# Altium PCB FOC_Controller.PcbDoc (part 1 of 2) (continued)
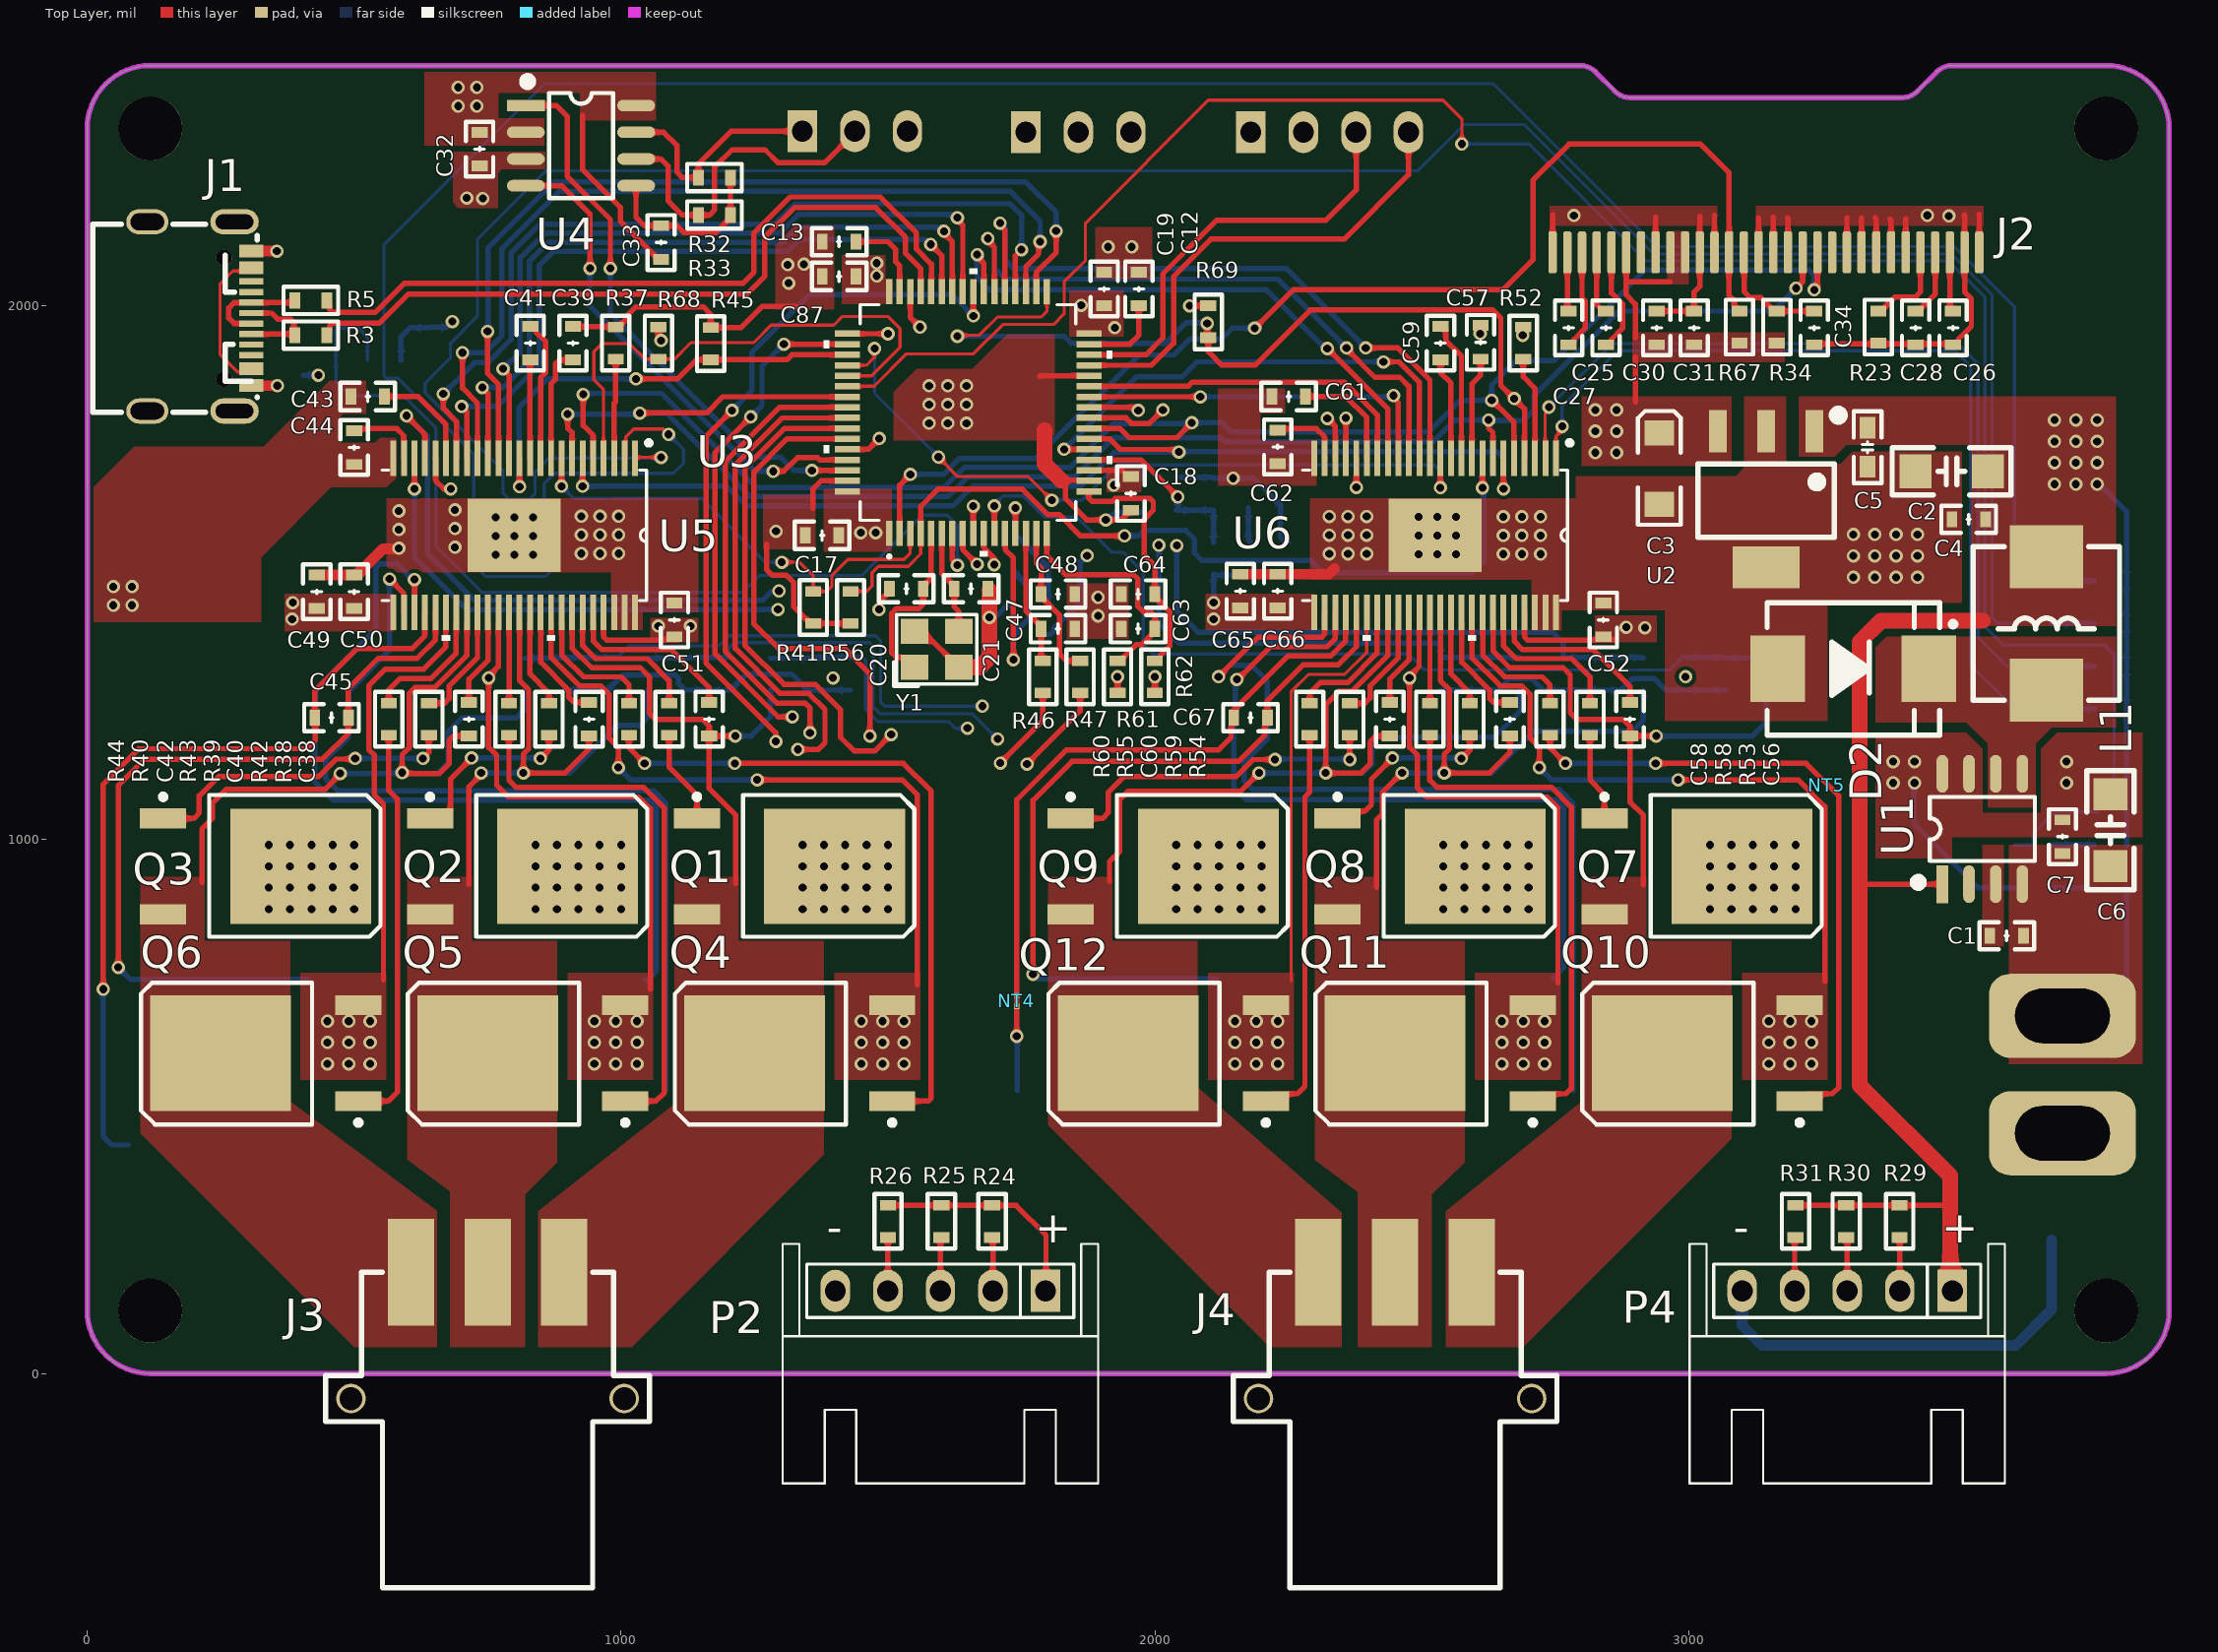
[diagram p0: Top Layer view]
## Footprints (in the part's own frame and the unit in brackets; to place one, negate y for a bottom-side part, rotate by r counter-clockwise, add the part's x,y. Pads: shape width x height; smd on the part's side, far side on the other; paste and mask are expansions set on the pad) (continued)
  rect 12x47 smd paste+0 mask+3.15: 17(-147.64,-226.38) 18(-127.95,-226.38) 19(-108.27,-226.38) 20(-88.58,-226.38) 21(-68.9,-226.38) 22(-49.21,-226.38) 23(-29.53,-226.38) 24(-9.84,-226.38) 25(9.84,-226.38) 26(29.53,-226.38) 27(49.21,-226.38) 28(68.9,-226.38) 29(88.58,-226.38) 30(108.27,-226.38) 31(127.95,-226.38) 32(147.64,-226.38) 49(147.64,226.38) 50(127.95,226.38) 51(108.27,226.38) 52(88.58,226.38) 53(68.9,226.38) 54(49.21,226.38) 55(29.53,226.38) 56(9.84,226.38) 57(-9.84,226.38) 58(-29.53,226.38) 59(-49.21,226.38) 60(-68.9,226.38) 61(-88.58,226.38) 62(-108.27,226.38) 63(-127.95,226.38) 64(-147.64,226.38)
  silkscreen extent -273,-270 270,270, body extent -236,-236 236,236, height 63
LUHEQIU_LOGO_BLAY_512 [mil] "512x512"
  silkscreen extent -217,-139 201,147
LUHEQIU_WEB_10mm_TOP [mil]
  silkscreen extent -198,-197 182,182
MR30PW-M [mm]
  rect 2.2x5.08 smd: 1(3.65,1) 2(0,1) 3(-3.65,1)
  round 1.4 hole 1.1: ""(-6.5,-5) ""(6.5,-5)
  silkscreen extent -7.7,-14 7.7,1
"Net Tie" [mil]
  rect 10x10 smd mask+0: 1(-10,0) 2(10,0)
  Top Layer lines w10: 10,0 -10,0
"Net Tie 40mil" [mil]
  rect 20x20 on Mid2 mask+0: 1(-20,0) 2(20,0)
  Int1 (GND) lines w20: 20,0 -20,0
"OLED 0.96'' 128x64" [mm]
  rrect50% 0.4x2 smd: 1(-10.054,0) 2(-9.354,0) 3(-8.654,0) 4(-7.954,0) 5(-7.254,0) 6(-6.554,0) 7(-5.854,0) 8(-5.154,0) 9(-4.454,0) 10(-3.754,0) 11(-3.054,0) 12(-2.354,0) 13(-1.654,0) 14(-0.954,0) 15(-0.254,0) 16(0.446,0) 17(1.146,0) 18(1.846,0) 19(2.546,0) 20(3.246,0) 21(3.946,0) 22(4.646,0) 23(5.346,0) 24(6.046,0) 25(6.746,0) 26(7.446,0) 27(8.146,0) 28(8.846,0) 29(9.546,0) 30(10.246,0)
"OSC 3225-4P" [mm] "3.2*2.5*0.7mm(长宽高)"
  rect 1.3x1.2 smd: 1(-1.05,-0.85) 2(1.05,-0.85) 3(1.05,0.85) 4(-1.05,0.85)
  silkscreen extent -2.03,-1.75 1.91,1.65, body extent -1.6,-1.25 1.6,1.25, height 0.7
"R 0603_L" [mil] "1/10W贴片电阻"
  rect 20x30 smd: 1(-30,0) 2(30,0)
  silkscreen extent -51,-26 51,26, body extent -31,-16 31,16, height 16
"R 2512_M" [mm] "1W贴片电阻"
  rect 2.032x3.2 smd: 1(-3.2,0) 2(3.2,0)
  silkscreen extent -4.57,-2.03 4.57,2.03, body extent -3.2,-1.6 3.2,1.6, height 0.55
SIPA03 [mm]
  rect 1.4x2 hole 1: 1(0,0)
  oval 1.4x2 hole 1: 2(2.5,0) 3(5,0)
  silkscreen extent -2.46,-2.2 7.46,3.5, body extent -2.5,-2.25 7.5,3.45, height 7
SIPA04 [mm]
  rect 1.4x2 hole 1: 1(0,0)
  oval 1.4x2 hole 1: 2(2.5,0) 3(5,0) 4(7.5,0)
  silkscreen extent -2.48,-2.2 9.98,3.5, body extent -2.5,-2.25 10,3.45, height 7
SIPB05 [mm] "@sucaita.com 素材塔"
  rect 1.4x2 hole 1: 1(-5,0)
  oval 1.4x2 hole 1: 2(-2.5,0) 3(0,0) 4(2.5,0) 5(5,0)
  silkscreen extent -7.5,-2.24 7.5,9.17, body extent -7.45,-2.29 7.45,9.22, height 5.77
SMC [mm] "7.1x5.9*2.3mm（长宽高，不包括引脚）"
  rect 2.6x3.15 smd: 1(-3.6,0) 2(3.6,0)
  silkscreen extent -4.1,-3.15 4.88,3.15, body extent -3.95,-2.9 3.95,2.9, height 2.45
SOP8_N [mm] "5*6*1.8mm（长宽高）"
  rect 1.8x0.55 smd: 1(-2.625,1.905)
  oval 1.8x0.55 smd: 2(-2.625,0.635) 3(-2.625,-0.635) 4(-2.625,-1.905) 5(2.625,-1.905) 6(2.625,-0.635) 7(2.625,0.635) 8(2.625,1.905)
  silkscreen extent -2.69,-2.5 1.52,3.2, body extent -3,-2.5 3,2.5, height 1.9
SOT223_N [mm] "6.4x7x1.6mm(长宽高)                    @sucaita.com 素材塔"
  rect 0.85x2 smd: 1(-2.3,-3.302) 2(0,-3.302) 3(2.3,-3.302)
  rect 3.2x2 smd: 2(0,3.175)
  silkscreen extent -3.63,-4.26 3.25,1.75, body extent -3.25,-3.51 3.25,3.51, height 1.65
"TO252 - 3" [mm] "D-PAK  / SOT-428"
  rect 2.2x0.95 smd: 1(-4.4,2.28) 3(-4.4,-2.28)
  rect 6.7x5.5 smd: 2(2.15,0)
  silkscreen extent -4.52,-3.35 5.94,3.43, body extent -4.47,-3.3 4.78,3.3, height 2.31
"TSW SMD-6*6*5" [mm] "6*6*5mm"
  rect 2.7x1 smd: 1(-4.4,2.261)
  oval 2.7x1 smd: 2(-4.4,-2.239) 3(4.4,-2.239) 4(4.4,2.261)
  silkscreen extent -2.79,-2.79 2.79,2.79, body extent -4.5,-3 4.5,3, height 4.95
USB-C-SMD_TYPE-C-USB-5 [mm] "@sucaita.com 素材塔"
  oval 1.2x2.3 hole 0.7 slot 1.8 at 90 deg: 0(-4.5,1.675) 0(4.5,1.675)
  oval 1.2x2 hole 0.8 slot 1.6 at 90 deg: 0(-4.5,-2.475) 0(4.5,-2.475)
  rect 0.3x1.15 smd: A1(-3.263,2.473) A4(-2.462,2.471) A5(-1.162,2.475) A6(-0.162,2.475) A7(0.337,2.473) A9(2.638,2.475) A12(3.438,2.475) B1(3.138,2.475) B4(2.337,2.475) B5(1.838,2.475) B6(0.838,2.475) B7(-0.663,2.473) B9(-2.162,2.471) B12(-2.963,2.473)
  rect 0.3x1.148 smd: A8(-1.663,2.475) B8(1.337,2.475)
  round 0.75 hole 0.75 unplated: ""(-2.803,1.175) ""(2.978,1.175)
  silkscreen extent -4.38,-5.08 4.56,2.75, body extent -4.34,-5.14 4.6,2.76, height 3.25

## Part data
C1 C4 C5 C7 C8 C9 C10 C11 C12 C13 C14 C15 C16 C17 C18 C19 C20 C21 C22 C23 C24 C25 C26 C27 C28 C29 C30 C31 C32 C33 C34 C38 C39 C40 C41 C42 C43 C44 C45 C46 C47 C48 C49 C50 C51 C52 C56 C57 C58 C59 C60 C61 C62 C63 C64 C65 C66 C67 C68 C69 C70 C71 C72 C73 C74 C75 C76 C77 C78 C79 C80 C81 C82 C83 C84 C85 C86 C87: "Capacitor", LatestRevisionDate=17-Jul-2002, LatestRevisionNote="Re-released for DXP Platform.", PackageDescription="Radial Cap, Thru-Hole; 2 Leads; 0.3 in Pin Spacing", PackageReference=RAD-0.3, Published=8-Jun-2000, Publisher="Altium Limited"
C2 C3 C6: "Polarized Capacitor (Radial)", LatestRevisionDate=17-Jul-2002, LatestRevisionNote="Re-released for DXP Platform.", PackageDescription="Polarized Capacitor (Radial); 2 Leads", PackageReference=RB7.6-15, Published=8-Jun-2000, Publisher="Altium Limited"
D1 D3 D4 D5 D6 D7: library part LED2, "Typical RED, GREEN, YELLOW, AMBER GaAs LED", LatestRevisionDate=17-Jul-2002, LatestRevisionNote="Re-released for DXP Platform.", PackageDescription="SM LED; 2 Flat Leads", PackageReference=3.2X1.6X1.1, PackageVersion=Feb-2002, Published=8-Jun-2000, Publisher="Altium Limited"
D2: library part "Diode BAS70", "Silicon AF Schottky Diode for High-Speed Switching", ComponentLink1Description="Manufacturer Link", ComponentLink1URL=http://www.infineon.com/, ComponentLink2Description=Datasheet, ComponentLink2URL=http://www.infineon.com/upload/Document/cmc_upload/documents/009/382/bas40_bas140series_1.pdf, DatasheetVersion=Oct-1999, LatestRevisionDate=29-May-2009, LatestRevisionNote="IPC-7351 Footprint Added.", Note="Pin 2 is not connected and not drawn.", PackageDescription="3-Pin SOT-23 Package 0.95 mm Pitch, 2.5 mm Lead Span", PackageReference=SOT-23, PackageVersion=Sep-2001, Published=21-Mar-2003, Publisher="Altium Limited"
J1: library part USB-C/S, "USB-C型母接口", BOM名称=USB-
J2: library part "Header 30", "Header, 30-Pin", LatestRevisionDate=17-Jul-2002, LatestRevisionNote="Re-released for DXP Platform.", Publisher="Altium Limited"
P1: library part "Header 4", "Header, 4-Pin", LatestRevisionDate=17-Jul-2002, LatestRevisionNote="Re-released for DXP Platform.", Publisher="Altium Limited"
P2 P4: library part "Header 5", "Header, 5-Pin", LatestRevisionDate=17-Jul-2002, LatestRevisionNote="Re-released for DXP Platform.", Publisher="Altium Limited"
P3 P5: library part "Header 3", "Header, 3-Pin", LatestRevisionDate=17-Jul-2002, LatestRevisionNote="Re-released for DXP Platform.", Publisher="Altium Limited"
Q1 Q2 Q3 Q4 Q5 Q6 Q7 Q8 Q9 Q10 Q11 Q12: library part N-MOSFET
R1 R2 R3 R4 R5 R6 R7 R8 R9 R10 R11 R12 R13 R14 R15 R16 R19 R20 R21 R22 R23 R24 R25 R26 R27 R28 R29 R30 R31 R32 R33 R34 R35 R36 R37 R38 R39 R40 R41 R42 R43 R44 R45 R46 R47 R48 R49 R50 R51 R52 R53 R54 R55 R56 R57 R58 R59 R60 R61 R62 R63 R64 R65 R66 R67 R68 R69: "Resistor", LatestRevisionDate=17-Jul-2002, LatestRevisionNote="Re-released for DXP Platform.", PackageDescription="Axial Device, Thru-Hole; 2 Leads; 0.4 in Pin Spacing", PackageReference=AXIAL-0.4, Published=8-Jun-2000, Publisher="Altium Limited"
S1: "Switch", LatestRevisionDate=17-Jul-2002, LatestRevisionNote="Re-released for DXP Platform.", PackageDescription="Switch; 2 Leads", PackageReference=SPST-2, Published=24-Mar-1999, Publisher="Altium Limited"
U1: "5V/2.1A DC-DC Buck电源芯片(<50V)"
U2: library part "Volt Reg", "Voltage Regulator", LatestRevisionDate=29-May-2009, LatestRevisionNote="IPC-7351 Footprint Added.", PackageDescription="3-Pin Transistor Outline Package 2.54 mm Pitch, 15.1 mm Lead Span", PackageReference=D2PAK, Published=24-Mar-1999, Publisher="Altium Limited"
U3: "No Description Available", Mfr_Name=STMicroelectronics, Copyright="Copyright (C) 2021 Ultra Librarian. All rights reserved.", Manufacturer_Part_Number=STM32F405RGT6, RefDes=RefDes, Type=DEV
U4: "CAN收发器"
U5 U6: "THREE PHASE PRE-DRIVER WITH DUAL CURRENT SHUNT AMPLIFIERS, DCA0048A"
Y1: library part XTAL, "Crystal Oscillator", LatestRevisionDate=17-Jul-2002, LatestRevisionNote="Re-released for DXP Platform.", PackageDescription="Crystal, Thru-Hole; 2 Leads; Body 3.1 x 8.2 mm (Dia.xH)", PackageReference=R38, Published=8-Jun-2000, Publisher="Altium Limited"
L1: Code_IEC=1005, Code_JEITA=0402, LatestRevisionDate=29-May-2009, LatestRevisionNote="IPC-7351 Footprint Added.", PackageDescription="Chip Inductor", PackageReference=0402-A, Published=8-Jun-2000, Publisher="Altium Limited"

## Free pads (board coordinates)
  round 120.08 hole 120.08 mask+0: 0(118.11,118.11) 0(118.11,2331.89) 0(3781.89,118.11) 0(3781.89,2331.89)
  rrect50% 275.59x157.48 hole 102.36 slot 177.17 at 0 deg: 2(3700,670) 3(3700,450)

## Via types
v1: diameter 25, hole 15, Top Layer to Bottom Layer, tented both sides, 227 vias
v2: diameter 25, hole 15, Top Layer to Bottom Layer, 227 vias

## Nets (pads, with @x,y where several pads share a name; then routed paths per layer and width w, separated by ;. In a path a pad name is that pad's centre, name@x,y a point inside that pad or via, vN(x,y) a via of type N, cw(c..) or ccw(c..) an arc to the next point about the centre after c; other vN are vias at no path point)
+3V3: C3.1 C17.2 C18.2 C19.2 C30.2 C31.2 C87.2 J2.6 J2.9 J2.10 R10.1 R34.2 R67.1 R68.2 R69.2 U2.3 U3.1 U3.19 U3.32 U3.48 U3.64 U5.20 U6.20 | length 821.2
  Top Layer w10: U5.20@652.36,1714.5 652.86,1714 652.86,1672.14 668,1657 v1(681,1657) ; R68.2@1070,1960 1070,1940 v1(1075,1935) ; U3.19@1876.38,1691.73 1938.27,1691.73 1950,1680 C18.2@1955,1680 ; v1(2064.96,2000) R69.2@2100,2000 ; v1(2377.36,1659.64) U6.20@2377.36,1714.5 ; J2.6@2882.8,2100 2882.8,2020.39 2900,2003.18 2900,1940 ; 2885,2045 2965,2045 ; 2900,1820 2900,1905 ; J2.9@2965.47,2068.5 J2.9@2965.47,2100
  Bottom Layer w10: R10.1@1800,1385 1805,1385 1810,1390 1810,1395 1860,1445 1860,1519 v1(1873,1532)
  other v1: 1449,1575 1477,1575 1923,1664 2825,1725 2865,1725 2825,1765 2865,1765 2825,1805 2865,1805 1925,1959 1862,2001 1479,2056 1479,2080
+5: C2.1 C4.2 C5.2 C32.2 C51.1 C52.1 L1.2 P1.1 P2.1 P4.1 R1.1 R4.2 R24.2 R25.2 R26.2 R29.2 R30.2 R31.2 R35.2 R36.2 R50.2 R51.2 U1.1 U2.1 U4.3 U5.45 U6.45 | length 5432.1
  Top Layer w10: U5.45@967.32,1425.5 967.32,1379.86 973.18,1374 C51.1@1108,1374 ; R26.2@1500,315 R25.2@1600,315 R24.2@1695,315 1740,315 1796,259 1796,156 P2.1@1795,155 ; U6.45@2692.32,1425.5 2692.32,1379.86 2698.18,1374 2862,1374 ; R31.2@3200,315 R30.2@3295,315 R29.2@3395,315 3480,315 ; 3330,916.65 U1.1@3475,916.65
  Top Layer w30: P4.1@3493.7,155 3490,158.7 3490,370 3320,540 3320,1370 3360,1410 3550,1410
  Int2 (PWR) w30: P2.1@1796,155 1796,244 1847,295 3437,295 3493,239 P4.1@3493,155
  Bottom Layer w10: R4.2@405,1870 v1(433,1870) ; v1(3765,1666) 3769,1666 3820,1615 R36.2@3820,1485 R35.2@3820,1405 R51.2@3820,1325 R50.2@3820,1245 R1.1@3820,990
  other v1: 2918,1397 2883,1398 1070,1400 1130,1400 3685,1666 3725,1666 3685,1706 3725,1706 3765,1706 3685,1746 3725,1746 3765,1746 3685,1786 3725,1786 3765,1786 741,2201 711,2202
AGND: C10.1 C11.1 C14.1 C15.1 C16.1 C22.1 C23.1 C24.1 C29.1 C43.1 C44.1 C61.1 C62.1 NT5.2 R7.2 R8.2 R11.2 R12.2 R14.2 R16.2 R20.2 R22.2 R28.2 U3.12 U5.24 U6.24 | length 1931.7
  Top Layer w10: U3.12@1718.9,1573.62 1719.9,1572.62 1719.9,1543.1 1735,1528 v1(1735,1337)
  Int1 (GND) w20: 3202,1102 NT5.2@3239,1102
  Bottom Layer w10: R16.2@895,1280 C22.1@970,1280 975,1280 1003,1308 1102,1308 1107.93,1302.07 1107.93,1292.07 1120,1280 R14.2@1125,1280 C16.1@1200,1280 1205,1280 1236,1311 1251,1311 1252,1310 1320,1310 1350,1280 R11.2@1355,1280 C14.1@1430,1280 ; v1(1735,1337) R12.2@1735,1385 1740,1385 1745,1390 1745,1395 1764,1414 1764,1473 1737,1500 C15.1@1737,1505 ; C11.1@2040,1680 2041.5,1678.5 2108.5,1678.5 R8.2@2110,1677 2185,1677 2235,1627 R7.2@2235,1622 2235,1567 2245,1557 C10.1@2250,1557 ; C29.1@2535,1280 R28.2@2610,1280 2643.03,1280 2665.03,1302 2704.97,1302 2726.97,1280 C24.1@2765,1280 R22.2@2840,1280 2873.03,1280 2895.03,1302 2934.97,1302 2956.97,1280 C23.1@2995,1280 R20.2@3070,1280
  other v1: 1397,1303 2994,1305 49,1439 84,1439 49,1474 84,1474 2146.5,1677
CAN_RX: U3.61 U4.4 | length 937.6
  Top Layer w10: U4.4@821.65,2225 889,2225 942,2172 v1(942,2070) ; v1(1285,1690) 1305,1690 1331,1716 1367.65,1716 1372.23,1711.42 U3.61@1423.62,1711.42
  Bottom Layer w10: v1(942,2070) 942,1999 1251,1690 v1(1285,1690)
CAN_TX: U3.62 U4.1 | length 1054.4
  Top Layer w10: U4.1@821.65,2375 879,2375 899,2355 899,2243 980,2162 v1(980,2070) ; v1(1357.5,1691.5) 1357.62,1691.62 1423.51,1691.62 U3.62@1423.62,1691.73
  Bottom Layer w10: v1(980,2070) 980,1985.04 1248.04,1717 1298,1717 1323.5,1691.5 v1(1357.5,1691.5)
GND: C2.2 C3.2 C4.1 C5.1 C6.2 C7.1 C8.1 C12.1 C13.1 C17.1 C18.1 C19.1 C20.1 C21.1 C26.1 C28.1 C30.1 C31.1 C32.1 C33.1 C34.2 C39.1 C47.1 C48.1 C49.2 C50.2 C51.2 C52.2 C57.1 C63.1 C64.1 C65.2 C66.2 C69.2 C70.2 C71.2 C72.2 C73.2 C74.2 C75.2 C76.2 C77.2 C78.2 C79.2 C80.2 C81.2 C82.2 C83.2 C84.2 C85.2 C86.2 C87.1 D2.1 D3.2 J1.A1 J1.A12 J1.B1 J1.B12 J2.1 J2.8 J2.11 J2.12 J2.15 J2.16 J2.17 J2.21 J2.22 J2.23 J2.24 J2.25 J2.29 J2.30 NT1.2 NT2.2 NT3.2 NT4.2 NT5.1 P1.2 P2.5 P3.3 P4.5 P5.3 pad.3 R12.1 R23.1 R37.2 R41.1 R45.1 R48.1 R49.1 R52.2 R56.1 R57.1 R63.1 R64.1 R65.1 R66.1 S1.1 U1.7 U1.8 U2.2 U3.18 U3.28 U3.60 U3.63 U4.2 U4.8 U5.46 U5.47 U5.48 U5.49 U6.46 U6.47 U6.48 U6.49 Y1.2 Y1.4 | length 7799.9
  Top Layer w10: C39.1@910,1961.5 910.75,1960.75 989.25,1960.75 R37.2@990,1960 995,1960 1014.14,1979.14 1014.14,1984.61 1027.56,1998.03 1153.97,1998.03 1168,1984 R45.1@1168,1959 1224.75,1959 1264.76,1999.02 1326.77,1999.02 ; 928.15,2356.3 928.15,2254.92 999.02,2184.06 999.02,2157.99 1070,2087 C33.1@1075,2087 ; 1272.64,1553.15 1272.64,1505.91 1283.46,1495.08 1310.04,1495.08 1323.82,1481.3 1323.82,1436.18 1355,1405 R41.1@1360,1405 R56.1@1430,1405 R56.1@1435,1405 ; 1359.25,1621.06 1359.25,1656.5 1374.8,1672.05 U3.63@1423.62,1672.05 ; U3.60@1423.62,1731.1 1463.39,1731.1 v1(1483.76,1751.48) ; v1(1483.27,1431.1) 1485.18,1433.02 1485.18,1447.27 1502.91,1465 C20.1@1502.91,1470 ; Y1.4@1550,1390 1565.75,1390 Y1.2@1632.68,1323.07 ; C21.1@1687.09,1470 C21.1@1689.96,1467.12 ; v1(1741.14,631.89) NT4.2@1741.14,687.83 ; 1784.45,1868.11 1785.24,1868.9 U3.28@1876.38,1868.9 ; 1793.31,1766.73 1795.28,1768.7 ; 1823.82,1673.23 1840.5,1673.23 ; U3.18@1876.38,1672.05 1875.38,1673.05 1848.97,1673.05 1848.79,1673.23 1840.5,1673.23 ; C18.1@1955,1617 1937,1599 v1(1908,1599) 1872.46,1599 1832.16,1639.3 1832.16,1664.89 1840.5,1673.23 ; J2.1@2745,2100 2745,2170.2 2745.08,2170.28 ; J2.8@2937.91,2100 2937.91,2165.28 2937.99,2165.35 ; C30.1@2940,1990 C31.1@3010,1990 3010,2025.75 3020.59,2036.34 J2.11@3020.59,2100 3020.59,2166.26 3020.67,2166.34 3020.67,2167.32 ; J2.12@3048.15,2100 3048.15,2169.21 3048.23,2169.29 ; J2.15@3130.83,2100 3130.83,2164.29 3130.91,2164.37 ; J2.16@3158.39,2100 3158.39,2165.28 3158.46,2165.35 ; 3185.04,2164.37 3185.94,2163.46 J2.17@3185.94,2100 ; C34.2@3235,1927 3236.5,1928.5 3353.5,1928.5 R23.1@3355,1930 3356.5,1928.5 3493.5,1928.5 C26.1@3495,1927 3500,1927 3505,1932 3505,1937 3529.53,1961.53 3529.53,2012.8 3516.65,2025.67 J2.29@3516.65,2100 3516.65,2168.39 3515.75,2169.29 3515.75,2170.28 ; J2.21@3296.18,2100 3296.18,2164.29 3296.26,2164.37 ; J2.22@3323.74,2100 3323.74,2164.29 3323.82,2164.37 ; 3349.41,2164.37 3351.3,2162.48 J2.23@3351.3,2100 ; 3376.97,2162.4 3378.86,2160.51 J2.24@3378.86,2100 ; J2.25@3406.42,2100 3406.42,2163.31 3406.5,2163.39 ; 3543.31,2171.26 3544.21,2170.35 J2.30@3544.21,2100
  Top Layer w20: J1.B12@297.24,2102.36 v1(355.32,2102.36) ; J1.A12@298.23,1850.39 v1(356.3,1850.39) ; C49.2@430,1495.91 C50.2@500,1495.91 505,1495.91 553.84,1544.75 582.7,1544.75 v2(583.66,1545.71) ; C65.2@2160,1497.09 C66.2@2230,1497.09 2325.83,1497.09 2336.61,1507.87
  Top Layer w30: Y1.2@1632.68,1323.07 1671.5,1323.07 1689.96,1341.54 v1(1689.96,1416.34) C21.1@1689.96,1467.12 ; 1793.31,1766.73 1793.31,1703.74 1823.82,1673.23
  Int2 (PWR) w20: P2.5@1401.5,155 1401.5,80.5 1447,35 2941,35 2977,71 2977,120 3010,153 P4.5@3100,153
  Int1 (GND) w20: NT5.1@3279,1102 3320,1102
  Int1 (GND) w60: 3340,770 3340,810
  Bottom Layer w10: NT2.2@29.53,455.55 29.53,444.88 46.26,428.15 76.77,428.15 ; C8.1@588,1898 588,1942 605,1959 643.23,1959 S1.1@644,1959.77 673.35,1959.77 v1(684.06,1970.47) ; 1083.66,530.51 NT1.2@1083.66,591.65 ; v1(1689.96,1416.34) 1692.83,1419.21 1704.21,1419.21 1730,1445 R12.1@1735,1445 ; v1(1741.14,631.89) 1742.13,630.91 1742.13,529.53 ; v1(1908,1599) 1912.06,1599 1926.56,1613.5 R57.1@1974,1613.5 ; 2783.46,529.53 NT3.2@2783.46,577.44 ; v1(3422.87,1106.3) 3422.24,1105.67 3422.24,1029.53 3541.77,910 D3.2@3610,910
  Bottom Layer w20: P4.5@3100,155 3100,90 3137,53 3613,53 3680,120 3680,250
  other v1: 3382.87,1106.3 3707.68,1106.3 3382.87,1146.3 3422.87,1146.3 3707.68,1146.3 1893.7,1419.29 1893.7,1453.74 3308.43,1491.5 3348.43,1491.5 3388.43,1491.5 3428.43,1491.5 3308.43,1531.5 3348.43,1531.5 3388.43,1531.5 3428.43,1531.5 3308.43,1571.5 3348.43,1571.5 3388.43,1571.5 3428.43,1571.5 1290.35,1577.76 1577,1780 1612,1780 1647,1780 1577,1815 1612,1815 1647,1815 1577,1850 1612,1850 1647,1850 1313.98,2042.32 1312.01,2076.77 1342.52,2077.76 1912.4,2110.24 1956.69,2110.24 3487.2,2168.31 2785,2169 3446.85,2169.29 695,2374 730,2374 695,2409 730,2409
  other v2: 765.2,1533.9 800.2,1533.9 835.2,1533.9 2494.09,1534.45 2529.09,1534.45 2564.09,1534.45 2326.77,1535.43 2361.77,1535.43 2396.77,1535.43 2652.56,1534.88 2687.56,1534.88 2722.56,1534.88 925.63,1535.87 960.63,1535.87 995.63,1535.87 688.98,1547.68 765.2,1568.9 800.2,1568.9 835.2,1568.9 2494.09,1569.45 2529.09,1569.45 2564.09,1569.45 2326.77,1570.43 2361.77,1570.43 2396.77,1570.43 2652.56,1569.88 2687.56,1569.88 2722.56,1569.88 925.63,1570.87 960.63,1570.87 995.63,1570.87 583.66,1580.71 688.98,1582.68 765.2,1603.9 800.2,1603.9 835.2,1603.9 2494.09,1604.45 2529.09,1604.45 2564.09,1604.45 2326.77,1605.43 2361.77,1605.43 2396.77,1605.43 2652.56,1604.88 2687.56,1604.88 2722.56,1604.88 925.63,1605.87 960.63,1605.87 995.63,1605.87 583.66,1615.71 688.98,1617.68 2688.98,1944.88 2609.25,1947.83
LED1: D1.2 U3.54 | length 3989.3
  Top Layer w6: U3.54@1423.62,1849.21 1474.21,1849.21 1535,1910 1660,1910 1715,1965 1810,1965 1830,1985 1830,2045 1870,2085 1870,2155 2100,2385 2540,2385 2575,2350 v1(2575,2303)
  Bottom Layer w6: v1(2575,2303) 2701,2303 2920,2084 3487,2084 3555,2016 3555,1399 3589,1365 3778,1365 3797,1346 3797,1084 3764.82,1051.82 3685.18,1051.82 3645,1011.64 3645,993.51 3641.49,990 D1.2@3610,990
M0_AH: U3.41 U5.13 | length 1390.4
  Top Layer w10: v1@779,1881 790.16,1869.84 U5.13@790.16,1714.5 ; v1(1630,2165) 1630,2160.94 1640.16,2150.78 U3.41@1640.16,2026.38
  Bottom Layer w10: v1(779,1881.89) 811,1913.89 811,2090 857,2136 1297,2136 1332,2171 1624,2171 v1(1630,2165)
M0_AL: U3.34 U5.14 | length 1705.9
  Top Layer w10: v1(750,1952) 750,1873 770.47,1852.53 U5.14@770.47,1714.5 ; U3.34@1777.95,2026.38 1777.95,2062.95 1815,2100 v1(1815,2140)
  Bottom Layer w10: v1(750,1952) 751,1953 751,2109 874,2232 1758,2232 1815,2175 v1(1815,2140)
M0_BH: U3.42 U5.15 | length 1357.3
  Top Layer w10: v1@740,1846 750.79,1835.21 U5.15@750.79,1714.5 ; v1(1605,2139.5) 1605,2135.44 1620.47,2119.97 U3.42@1620.47,2026.38
  Bottom Layer w10: v1(740,1846.89) 778.65,1846.89 828,1896.24 828,2082.96 864.04,2119 1305,2119 1333,2147 1597.5,2147 v1(1605,2139.5)
M0_BL: U3.35 U5.16 | length 1678.4
  Top Layer w10: v1(703,1912) 703,1846 731.1,1817.9 U5.16@731.1,1714.5 ; U3.35@1758.27,2026.38 1758.27,2073.27 1782.13,2097.13 1782.13,2117.13 v1(1785,2120)
  Bottom Layer w10: v1(703,1912) 744.65,1912 777,1944.35 777,2107 884.5,2214.5 1729.54,2214.5 1785,2159.04 v1(1785,2120)
M0_CH: U3.43 U5.17 | length 1318
  Top Layer w10: v1@701.5,1810.5 711.42,1800.58 U5.17@711.42,1714.5 ; v1(1580,2115) 1600.79,2094.21 U3.43@1600.79,2026.38
  Bottom Layer w10: v1(701.5,1811.39) 768.39,1811.39 847,1890 847,2076 873,2102 1312.04,2102 1334.04,2124 1571,2124 v1(1580,2115)
M0_CL: U3.36 U5.18 | length 1612.2
  Top Layer w10: v1@667,1834 667,1808 691.73,1783.27 U5.18@691.73,1714.5 ; U3.36@1738.58,2026.38 1738.58,2093.58 v1(1750,2105)
  Bottom Layer w10: v1(667,1834.89) 726.11,1894 751,1894 794,1937 794,2099 848,2153 1288,2153 1326,2191 1729,2191 1750,2170 v1(1750,2105)
M0_DC_CAL: R41.2 U3.3 U5.8 | length 882.7
  Top Layer w6: v1(1301.18,1519.68) 1334.56,1519.68 1360,1494.24 R41.2@1360,1465 1385,1465 1395,1475 1395,1495 1425,1525 1530,1525 1541.73,1536.73 U3.3@1541.73,1573.62
  Top Layer w10: v1(888.58,1662) U5.8@888.58,1714.5
  Bottom Layer w6: v1(888.58,1662) 911.58,1639 1151,1639 1270.32,1519.68 v1(1301.18,1519.68)
M0_ENC_A: P2.2 R24.1 U3.56 | length 2254.5
  Top Layer w10: v1(1354,1200) 1354,1246.65 1345.15,1255.5 1292.5,1255.5 1195,1353 1195,1708 1296.84,1809.84 U3.56@1423.62,1809.84 ; R24.1@1695,255 1696.57,253.43 P2.2@1696.57,155
  Int1 (GND) w10: v1(1354,1200) 1354,1183 1412,1125 1568.04,1125 1600,1093.04 ; 1600,1093 1649,1044 1649,310 1696.57,262.43 P2.2@1696.57,155
M0_ENC_B: P2.3 R25.1 U3.57 | length 2292.4
  Top Layer w10: v1(1331,1169) 1369.65,1169 1382,1181.35 1382,1244 1352,1274 1298.04,1274 1214,1358.04 1214,1702.04 1301.96,1790 1423.46,1790 U3.57@1423.62,1790.16 ; P2.3@1598.15,155 1598.15,253.15 R25.1@1600,255
  Int1 (GND) w10: v1(1331,1169) 1331,1142 1365,1108 1560.96,1108 1632,1036.96 1632,315 1598.15,281.15 P2.3@1598.15,155
M0_ENC_C: P2.4 R26.1 U3.40 | length 2774.5
  Top Layer w10: v1(1208,1804) 1159,1755 1159,1331 1290,1200 v1(1290,1184) ; P2.4@1499.72,155 1499.72,254.72 R26.1@1500,255 ; U3.40@1659.84,2026.38 1659.92,2026.3 1659.92,1981.08 v1(1660,1981)
  Int1 (GND) w10: v1(1290,1184) 1290,1146 1345,1091 1553.92,1091 1615,1029.92 1615,348 1499.72,232.72 P2.4@1499.72,155
  Bottom Layer w10: v1(1208,1804) 1245,1841 1245,1913 1353,2021 1620,2021 v1(1660,1981)
M0_GATE: R45.2 U3.51 U5.12 | length 858.2
  Top Layer w10: v1(809.84,1661) U5.12@809.84,1714.5 ; v1(1028,1863) 1105,1863 1141,1899 R45.2@1168,1899 1310.65,1899 1319.92,1908.27 U3.51@1423.62,1908.27
  Bottom Layer w10: v1(809.84,1661) 809,1661.84 809,1810 862,1863 v1(1028,1863)
M0_GH_A: R38.1 U5.43 | length 273.9
  Top Layer w10: U5.43@927.95,1405.5 927.95,1363.05 952,1339 1049,1339 1090,1298 R38.1@1090,1255.59
M0_GH_B: R39.1 U5.38 | length 164.6
  Top Layer w10: U5.38@829.53,1405.5 829.53,1310.43 865,1274.96 R39.1@865,1255.59
M0_GH_C: R40.1 U5.33 | length 205
  Top Layer w10: R40.1@640,1255.59 669.59,1255.59 678,1264 678,1287.69 731.1,1340.79 U5.33@731.1,1405.5
M0_GL_A: R42.1 U5.41 | length 243.3
  Top Layer w10: U5.41@888.58,1405.5 889.08,1405 889.08,1345.92 930,1305 1000,1305 1015,1290 R42.1@1015,1255.59
M0_GL_B: R43.1 U5.36 | length 154.4
  Top Layer w10: R43.1@790,1251.18 R43.1@790,1255.59 790.16,1255.74 U5.36@790.16,1405.5
M0_GL_C: R44.1 U5.31 | length 236.5
  Top Layer w10: R44.1@565,1255.59 565,1281 586,1302 644.23,1302 691,1348.77 691,1404.77 U5.31@691.73,1405.5
M0_IA: C47.2 R46.2 U3.14 | length 251.8
  Top Layer w10: U3.14@1758.27,1573.62 1758.27,1428.74 1787,1400 C47.2@1787,1395 1787,1338 R46.2@1790,1335
M0_IB: C48.2 R47.2 U3.15 | length 287.8
  Top Layer w10: U3.15@1777.95,1573.62 1777.95,1517.59 1787,1508.54 C48.2@1787,1460 1787,1455 1821,1421 1821,1348 1834,1335 R47.2@1860,1335
M0_nFAULT: D5.2 U5.2 | length 5354
  Top Layer w6: U5.2@1006.69,1714.5 1009.19,1717 1009.19,1754.19 1024,1769 1079,1769 v1(1089,1759)
  Bottom Layer w6: v1(1089,1759) 1117,1731 1117,1705 1098,1686 875,1686 856,1667 856,1634 876,1614 876,1510 859,1493 746,1493 724,1515 724,1722 582,1864 559.51,1864 556,1867.51 556,2115 857,2416 2633.38,2416 2938.38,2111 3496.77,2111 3610,1997.77 D5.2@3610,1485
M0_nOCTW: D4.2 U5.1 | length 4692.8
  Top Layer w6: U5.1@1026.38,1714.5 1027.88,1716 v1(1075,1716)
  Bottom Layer w6: v1@1076,1715 865,1715 839,1689 839,1648 829,1638 790,1638 779,1649 779,1691.07 633,1837.07 633,1855 680.5,1902.5 680.5,1929.5 731,1980 731,2124 860,2253 2493,2253 2579.5,2339.5 2691.5,2339.5 2934,2097 3492.38,2097 3568,2021.38 3568,1416 3579,1405 D4.2@3610,1405
M0_SH_A: C38.1 J3.1 Q1.3 Q4.2 R9.1 U5.42 | length 899.3
  Top Layer w10: U5.42@908.27,1405.5 908.27,1358.69 944.96,1322 1035.94,1322 1053,1304.94 1053,1237 1065,1225 1153,1225 1165,1213 C38.1@1165,1194.1 ; v1(1214.1,1194.1) C38.1@1165,1194.1 ; 1215,918 1215,1045.87 1165,1095.87 C38.1@1165,1194.1
  Bottom Layer w10: v1(1214.1,1194.1) 1244.1,1194.1 1280,1230 R9.1@1280,1280
M0_SH_B: C40.1 J3.2 Q2.3 Q5.2 R13.1 U5.37 | length 1082.1
  Top Layer w10: 715,916 715,1099 738,1122 v1(738,1125) ; U5.37@809.84,1405.5 810,1405.34 810,1298 827,1281 827,1170 817,1160 v1(817,1125) 895,1125 940,1170 C40.1@940,1194.1
  Bottom Layer w10: v1(738,1125) v1(817,1125) 904,1125 993,1214 1035,1214 1050,1229 R13.1@1050,1280
M0_SH_C: C42.1 J3.3 Q3.3 Q6.2 R15.1 U5.32 | length 1418.2
  Top Layer w10: 215,920 215,1020 235,1040 235,1069 260,1094 445,1094 v1@474.5,1123.5 ; v1@590,1124 660,1124 678,1142 678,1186 686.1,1194.1 C42.1@715,1194.1 ; v1(590,1125.5) 590,1159 603,1172 603,1274 614,1285 651.27,1285 711.42,1345.15 711.42,1405.5 U5.32@711,1405.08
  Bottom Layer w10: v1(474,1124) v1@590,1124 ; v1(590,1125.5) 591.5,1124 656,1124 676,1144 676,1202 702,1228 804,1228 820,1244 R15.1@820,1280
M0_SL_A: Q4.3 R48.2 U5.40 | length 1283.3
  Top Layer w10: U5.40@868.9,1405.5 869,1405.4 869,1341 921.98,1288.02 922.94,1288.02 962,1288 978,1272 978,1190.03 995,1173.03 v1(995,1135) ; v1(1255,1112) 1527,1112 1555,1084 1555,728
  Bottom Layer w10: v1(995,1135) 1018,1112 v1(1255,1112)
  other v2: 1450,580 1490,580 1530,580 1450,620 1490,620 1530,620 1450,660 1490,660 1530,660
M0_SL_B: C46.2 Q5.3 R49.2 U5.27 U5.35 | length 2545.1
  Top Layer w10: U5.27@612.99,1425.5 v1(612.99,1487.2) ; v1@752,1300 752,1173 767,1158 767,1102 789,1080 1033,1080 1055,1058 1055,720 ; v1(752,1303) 752,1305.89 770,1323.89 770,1405.03 U5.35@770.47,1405.5
  Bottom Layer w10: v1(612.99,1487.2) 609.25,1487.2 579.72,1516.73 548.23,1516.73 540.35,1508.86 540.35,1393.7 428.15,1281.5 428.15,1230.32 C46.2@426.18,1228.35 426.18,1108.27 460.63,1073.82 1054.13,1073.82 1065.94,1062.01 1065.94,753.07 R49.2@1051.12,738.25
  other v2: 950,580 990,580 1030,580 950,620 990,620 1030,620 950,660 990,660 1030,660
M0_SL_C: C45.2 Q6.3 R65.2 U5.29 U5.30 | length 2295
  Top Layer w10: v1(58.07,760.83) 58.07,1101.38 107.28,1150.59 440.59,1150.59 489.17,1199.17 C45.2@489.17,1228.35 489.17,1283.46 545.28,1339.57 618.11,1339.57 652.36,1373.82 U5.29@652.36,1425.5 ; 555,737 555,1067 538,1084 538,1158 528,1168 528,1289 558,1319 630.02,1319 671.55,1360.52 671.55,1405 U5.30@672.05,1405.5
  Bottom Layer w10: v1(58.07,760.83) 80.71,738.19 413.39,738.19
  other v2: 450,580 490,580 530,580 450,620 490,620 530,620 450,660 490,660 530,660
M0_SP1: C45.1 NT2.1 U5.28 | length 1445.6
  Top Layer w10: v1(30.02,719.98) 30.02,1103.84 96.46,1170.28 411.42,1170.28 427.17,1186.02 427.17,1227.36 C45.1@426.18,1228.35 426.18,1278.54 505.91,1358.27 609.25,1358.27 632.18,1381.19 632.18,1425 U5.28@632.68,1425.5
  Bottom Layer w10: NT2.1@29.53,475.55 29.53,719.49 v1(30.02,719.98)
M0_SP2: C46.1 NT1.1 U5.26 | length 1610.2
  Top Layer w10: v1(566.4,1488.19) 592.81,1461.79 592.81,1426 U5.26@593.31,1425.5
  Bottom Layer w10: v1(566.4,1488.19) 566.4,1354.79 490.16,1278.54 490.16,1229.33 C46.1@489.17,1228.35 489.17,1191.93 446.85,1149.61 446.85,1114.17 469.49,1091.54 1061.02,1091.54 1083.66,1068.9 NT1.1@1083.66,611.65
M0_VA: C14.2 R9.2 R11.1 U3.8 | length 1046.6
  Top Layer w10: U3.8@1640.16,1573.62 1640.16,1542.84 v1(1667,1516)
  Int2 (PWR) w6: v1(1649,1209) 1692,1209 1792,1309 1792,1453.82 1708.32,1537.5 1688.5,1537.5 v1(1667,1516)
  Bottom Layer w6: C14.2@1430,1343 1451,1343 1458,1336 1458,1244 1481,1221 1614,1221 1627,1208 v1@1649,1208
  Bottom Layer w10: R9.2@1280,1340 R11.1@1355,1340 1356.5,1341.5 1428.5,1341.5 C14.2@1430,1343
M0_VB: C16.2 R13.2 R14.1 U3.9 | length 1444.7
  Top Layer w10: U3.9@1659.84,1573.62 v1(1659.84,1624.84)
  Int2 (PWR) w6: v1(1659.84,1624.84) 1659.84,1581.16 1675,1566 1740.38,1566 1805,1501.38 1805,1288 v1(1705.5,1188.5)
  Bottom Layer w6: C16.2@1200,1343 1201,1344 1201,1358 1212,1369 1466,1369 1472,1363 1472,1249 1485,1236 1657.5,1236 v1@1705.5,1188
  Bottom Layer w10: R13.2@1050,1340 R14.1@1125,1340 1126.5,1341.5 1198.5,1341.5 C16.2@1200,1343
M0_VC: C22.2 R15.2 R16.1 U3.10 | length 1421.2
  Top Layer w10: U3.10@1679.53,1573.62 1679.53,1546.84 1699,1527.36 v1(1699,1515)
  Int2 (PWR) w6: v1(1677,1250) 1710,1250 1777,1317 1777,1437 v1(1699,1515)
  Bottom Layer w6: C22.2@970,1343 995,1343 1015,1363 1183,1363 1202,1382 1477,1382 1486,1373 1486,1258 1494,1250 v1(1677,1250)
  Bottom Layer w10: R15.2@820,1340 R16.1@895,1340 896.5,1341.5 968.5,1341.5 C22.2@970,1343
M1_AH: U3.37 U6.13 | length 1240.8
  Top Layer w10: v1(1710,2155) 1710,2150.94 1718.9,2142.04 U3.37@1718.9,2026.38 ; v1(2395,1921.02) 2455.02,1921.02 2515.16,1860.88 U6.13@2515.16,1714.5
  Bottom Layer w10: v1(1710,2155) 1720,2145 1720,2085 1735,2070 2246.02,2070 v1(2395,1921.02)
M1_AL: U3.21 U6.14 | length 937.8
  Top Layer w10: v1(1830,1731) 1830.05,1731.05 1876.33,1731.05 U3.21@1876.38,1731.1 ; v1(2428,1895) 2457,1895 2495.47,1856.53 U6.14@2495.47,1714.5
  Bottom Layer w10: v1(1830,1731) 1966,1867 2051,1867 2079,1895 v1(2428,1895)
M1_BH: U3.38 U6.15 | length 1169.2
  Top Layer w10: v1(1687,2126) 1687,2121.94 1699.21,2109.73 U3.38@1699.21,2026.38 ; v1(2359,1921) 2359,1919 2412,1866 2459,1866 2475.79,1849.21 U6.15@2475.79,1714.5
  Bottom Layer w10: v1(1687,2126) 1687,2121.94 1700,2108.94 1700,2070 1720,2050 2230,2050 v1(2359,1921)
M1_BL: U3.26 U6.16 | length 688.4
  Top Layer w10: U3.26@1876.38,1829.53 v1(2085,1829.53) ; v1(2447,1832) 2447,1827.94 2456.1,1818.84 U6.16@2456.1,1714.5
  Bottom Layer w10: v1(2085,1829.53) v1@2443.47,1829.53
M1_CH: U3.39 U6.17 | length 1081.4
  Top Layer w10: v1(1667,2096) 1667,2091.94 1679.53,2079.41 U3.39@1679.53,2026.38 ; v1(2323,1920) 2436.42,1806.58 U6.17@2436.42,1714.5
  Bottom Layer w10: v1(1667,2096) 1667,2053 1690,2030 2209,2030 2319,1920 v1(2323,1920)
M1_CL: U3.27 U6.18 | length 649.9
  Top Layer w10: U3.27@1876.38,1849.21 2062.21,1849.21 2070,1857 2354.96,1857 2416.73,1795.23 U6.18@2416.73,1714.5
M1_DC_CAL: R56.2 U3.4 U6.8 | length 1623.3
  Top Layer w6: R56.2@1430,1465 1460,1465 1470,1475 1470,1500 1482,1512 1538,1512 1561.42,1535.42 U3.4@1561.42,1573.62
  Top Layer w10: U3.4@1561.42,1573.62 1561.42,1624.42 1594,1657 1751.27,1657 1799.14,1609.12 1820.88,1609.12 1861,1569 v1(1943,1569) ; v1(2613.58,1659) U6.8@2613.58,1714.5
  Bottom Layer w10: v1(1943,1569) 1969,1569 1979,1579 2058,1579 2074,1563 2074,1537 2088.36,1522.64 2292.32,1522.64 2314.96,1500 2595.47,1500 2616,1520.53 v1@2616,1659
M1_ENC_A: P4.2 R29.1 U3.58 | length 3839.7
  Top Layer w10: U3.58@1423.62,1770.47 1306.47,1770.47 1232,1696 1232,1364.08 1305.08,1291 1364,1291 1411,1244 1411,1192 1437,1166 1475,1166 v1(1506,1197) ; R29.1@3395,255 3395.28,254.72 P4.2@3395.28,155
  Int1 (GND) w10: v1(1506,1197) 1574,1197 1701,1070 1701,426 1772,355 3345,355 3395.28,304.72 P4.2@3395.28,155
M1_ENC_B: P4.3 R30.1 U3.59 | length 3681
  Top Layer w10: U3.59@1423.62,1750.79 1311.14,1750.79 1249,1688.65 1249,1404 1295,1358 1418.65,1358 1466,1310.65 v1(1466,1194) ; R30.1@3295,255 3296.85,253.15 P4.3@3296.85,155
  Int1 (GND) w10: v1(1466,1194) 1467,1194 1491,1170 1574,1170 1684,1060 1684,415 1766,333 3262,333 3296.85,298.15 P4.3@3296.85,155